# KiCad board ulx4m_panel.kicad_pcb (continued)
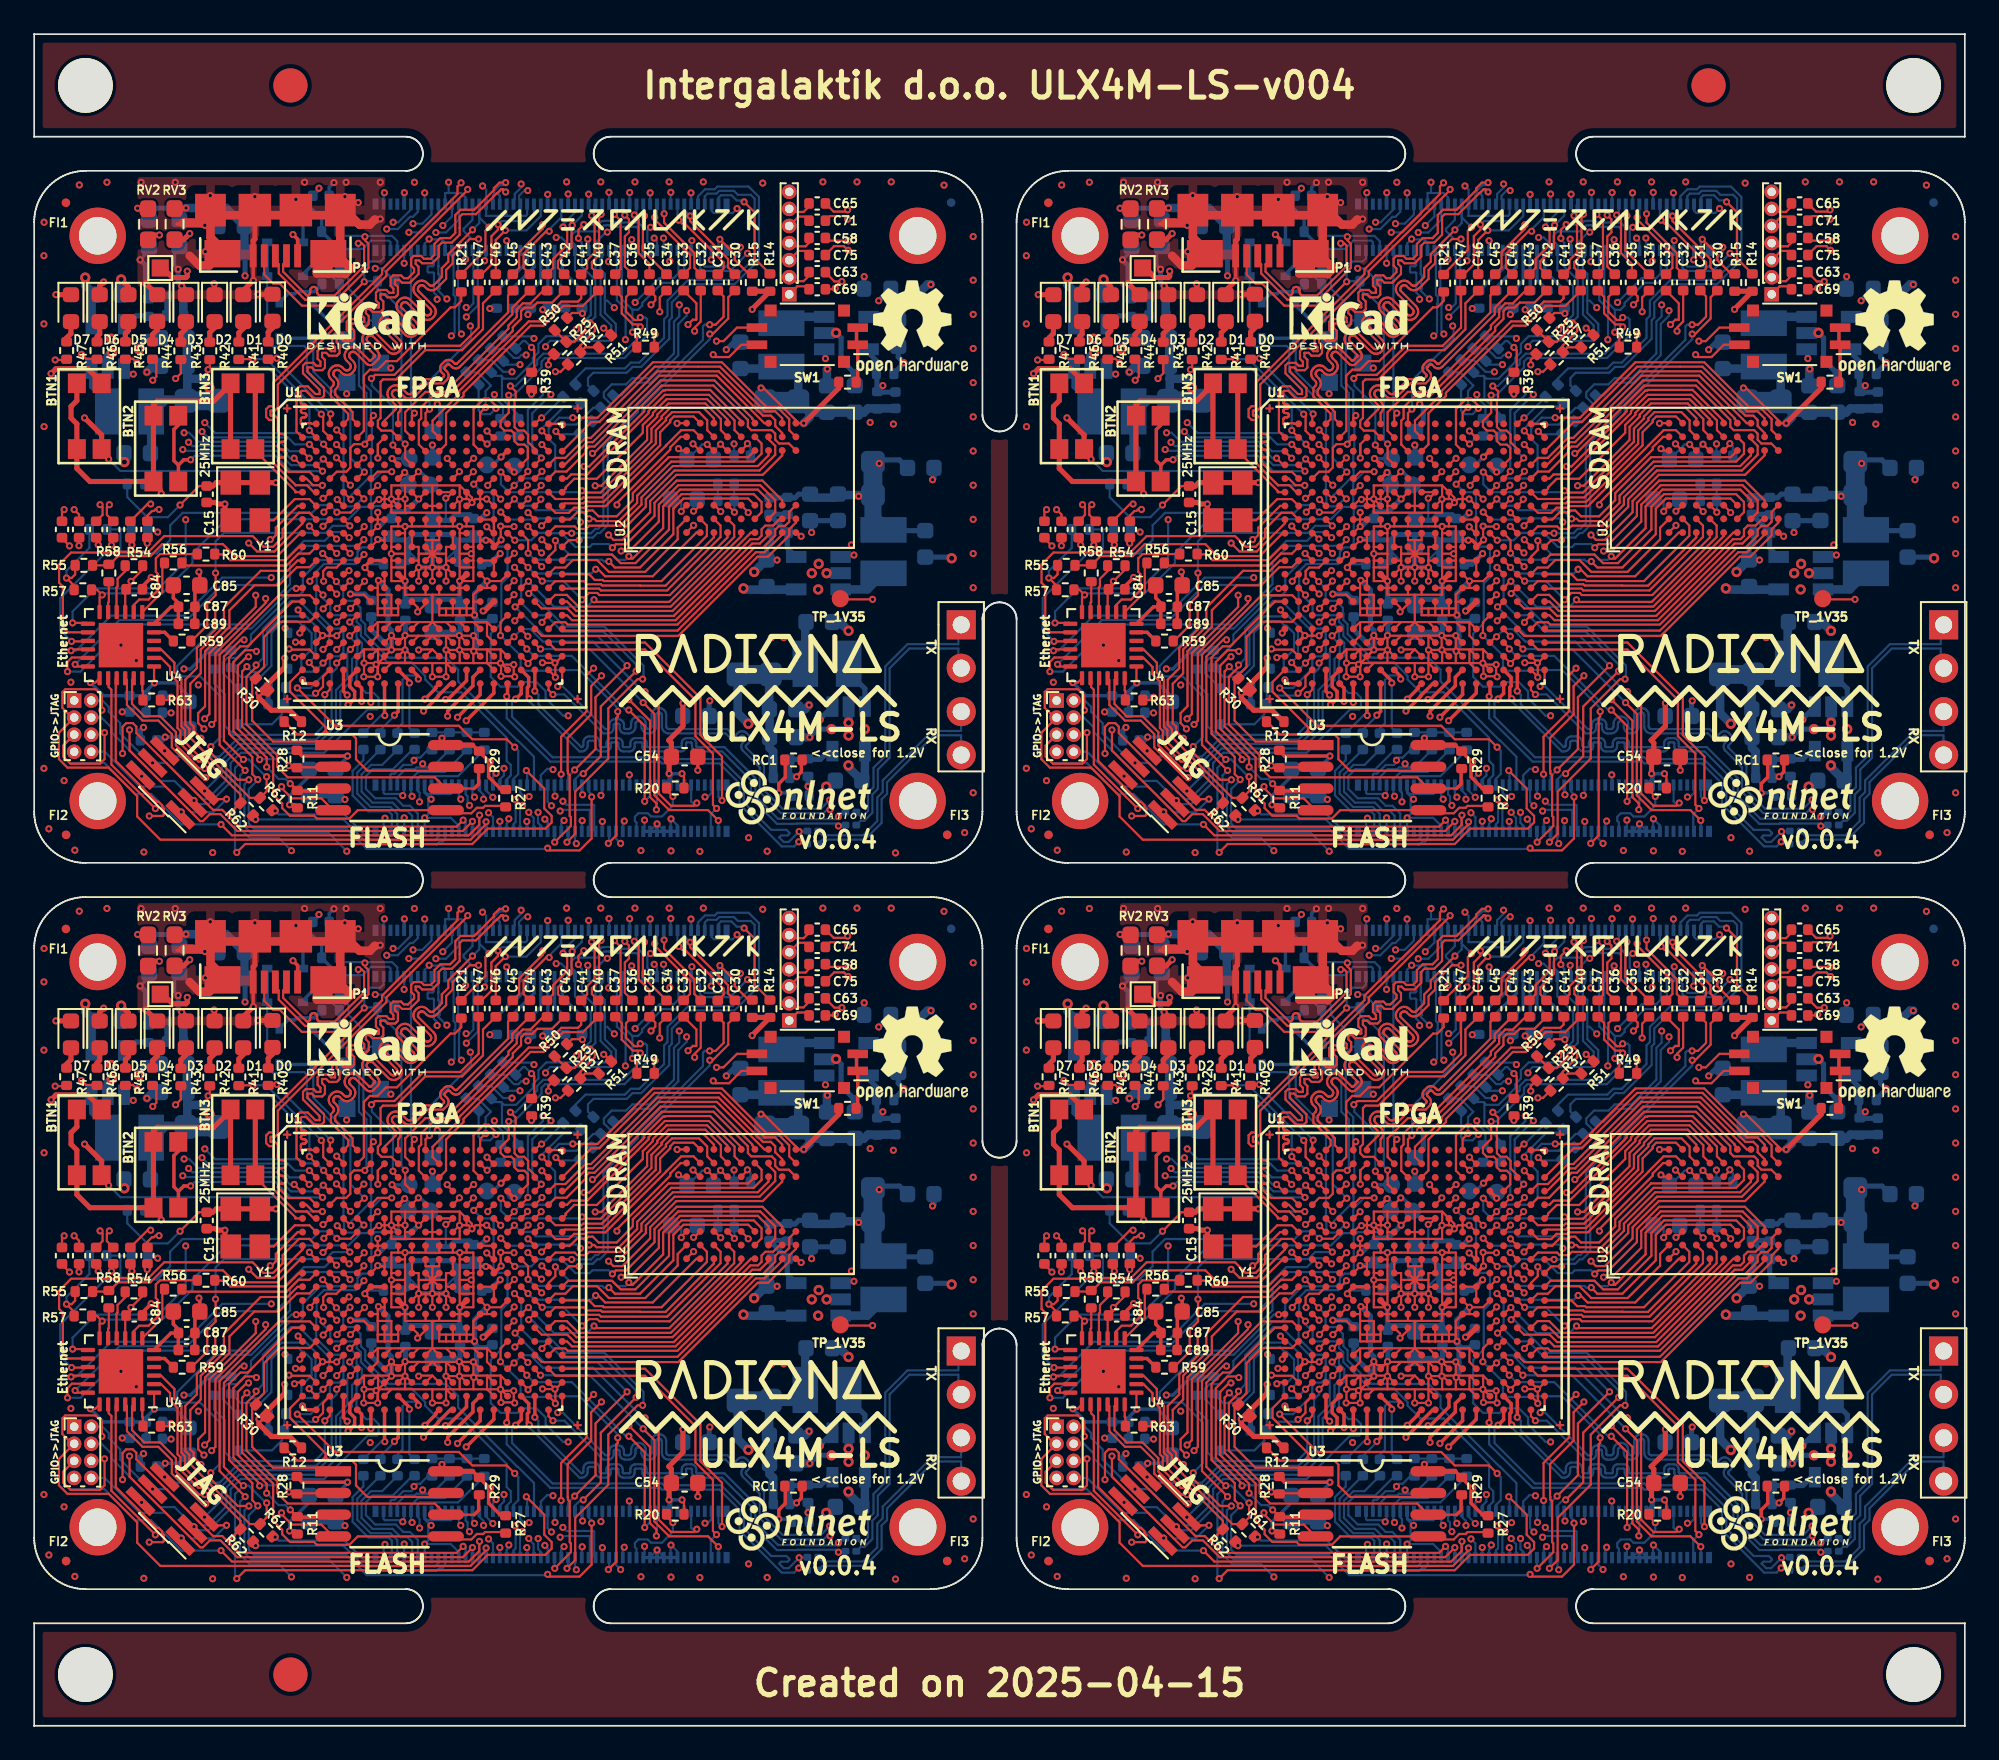
[diagram p0: board, top side]
## Nets (continued)
Board_2-unconnected-(U1B-PT110B-PadB16): U1#3.B16
Board_2-unconnected-(U1B-PT114A-PadB17): U1#3.B17
Board_2-unconnected-(U1B-PT114B-PadC17): U1#3.C17
Board_2-unconnected-(U1B-PT116A-PadA17): U1#3.A17
Board_2-unconnected-(U1B-PT116B-PadB18): U1#3.B18
Board_2-unconnected-(U1C-PR20B-PadH17): U1#3.H17
Board_2-unconnected-(U1C-PR29A-PadK16): U1#3.K16
Board_2-unconnected-(U1C-PR29B-PadK17): U1#3.K17
Board_2-unconnected-(U1D-PR77A-PadT16): U1#3.T16
Board_2-unconnected-(U1D-PR89B-PadR18): U1#3.R18
Board_2-unconnected-(U1E-PL77A-PadM5): U1#3.M5
Board_2-unconnected-(U1E-PL89B-PadM1): U1#3.M1
Board_2-unconnected-(U1F-GR_PCLK7_0-PadH5): U1#3.H5
Board_2-unconnected-(U1F-PL11D-PadC5): U1#3.C5
Board_2-unconnected-(U1G-DOUT/CSOn-PadR3): U1#3.R3
Board_2-unconnected-(U4-XTAL2-Pad4): U4#3.4
Board_2-US2_ID: J2#4.1 P1.4 R19#3.1 U1#3.D9
Board_2-USB_FPGA_D+: D8#3.1 R2#2.2 R4.2 R5#4.2 U1#3.A6 U1#3.F4
Board_2-USB_FPGA_D-: D9#3.1 R1.2 R6.2 R7#2.2 U1#3.B6 U1#3.E3
Board_2-USB_FPGA_PULL_D+: D10#2.2 D11#4.1 U1#3.F5
Board_2-USB_FPGA_PULL_D-: D12#3.2 D13#2.1 U1#3.E5
Board_2-USB_N: J2#4.3 P1.2 R1.1
Board_2-USB_P: J2#4.5 P1.3 R2#2.1
Board_2-USER_PROGRAMN: D15.1 U1#3.M4
Board_2-VDAC_COMP: J2#4.11
Board_2-WL_nDisable: J1#2.89
Board_3-2V5_3V3: C26#4.1 C38#4.1 C48#4.1 C49.1 C53#4.1 RV2#4.2 RV3.1 U1.F9 U1.F10 U1.H6 U1.H7 U1.J6
Board_3-+1V1: 1.1V_1#4.1 C17#2.1 C27#3.1 C28#4.1 RP1#2.2 U1.H8 U1.H9 U1.H10 U1.H11 U1.H12 U1.H13 U1.J8 U1.J13 U1.K8 U1.K13 U1.L8 U1.L13 U1.M8 U1.M13 U1.N8 U1.N9 U1.N10 U1.N11 U1.N12 U1.N13 U1.T6 U1.T7 U1.T8 U1.T9 U1.T10 U1.T11 U1.T12 U1.T13 U1.T14 U1.T15 U1.U6 U1.U15
Board_3-+1V35: C77#2.1 C95#3.1 C96#2.1 C97#3.1 C98#4.1 L4#4.2 RA4.1 RP4.1 RP4.2 TP_1V35.1
Board_3-+2V5: C10#3.1 C11#4.1 C12#3.1 C19.1 C23#4.1 C29#2.1 C39#4.1 L2.2 RA2.1 RP2#2.1 RP2#2.2 RV2#4.1 U1.F6 U1.F15 U1.P6 U1.P15 U1.V10 U1.V11 U1.V17 U1.V18
Board_3-+3.3VA: C86.1 C88#4.1 C90#2.1 FB1.2 U4#4.1 U4#4.19
Board_3-+5V: C1.1 C5#3.1 C9#2.1 C76#2.1 J1#3.77 J1#3.79 J1#3.81 J1#3.83 J1#3.85 J1#3.87 P1#2.1 R10#4.1 R13#3.1 R14.1 R15#3.1 U5.1 U5.4 U6.1 U6.4 U7.1 U7.4 U8#3.1 U8#3.4
Board_3-/blinkey/ALED0: D0#3.2 R40.2
Board_3-/blinkey/ALED1: D1#2.2 R41#3.2
Board_3-/blinkey/ALED2: D2#4.2 R42#2.2
Board_3-/blinkey/ALED3: D3#3.2 R43.2
Board_3-/blinkey/ALED4: D4#3.2 R44.2
Board_3-/blinkey/ALED5: D5#2.2 R45.2
Board_3-/blinkey/ALED6: D6#3.2 R46#2.2
Board_3-/blinkey/ALED7: D7#4.2 R47#3.2
Board_3-/ethernet/ETH_7: R56#4.1 U4#4.7
Board_3-/ethernet/ETH_8: R60#2.1 U4#4.8
Board_3-/ethernet/ETH_10: R54#3.1 U4#4.10
Board_3-/ethernet/ETH_11: R58#3.2 U4#4.11
Board_3-/ethernet/RBIAS: R63#2.1 U4#4.24
Board_3-/ethernet/XTAL: R59.1 U4#4.5
Board_3-/flash/FLASH_MISO: R28#3.2 U1.V2 U3#3.2
Board_3-/flash/FLASH_MOSI: R27#3.2 U1.W2 U3#3.5
Board_3-/flash/FLASH_nCS: R30.2 U1.R2 U3#3.1
Board_3-/flash/FLASH_nHOLD: R12#2.2 U1.W1 U3#3.7
Board_3-/flash/FLASH_nWP: R11#4.2 U1.Y2 U3#3.3
Board_3-/flash/FLASH_SCK: R29#3.2 U1.U3 U3#3.6
Board_3-/flash/FPGA_DONE: R32#2.2 U1.Y3
Board_3-/flash/FPGA_INITN: R33#2.2 U1.V3
Board_3-/flash/FPGA_PROGRAMN: C99.1 D15#3.2 D28#3.2 R31.2 U1.W3
Board_3-/gpio/CAM0_D0_LP: R21#3.2 U1.B5
Board_3-/power/FB1: C2.2 RA1.2 RB1.2 RC1#4.2 U5.5
Board_3-/power/FB2: C10#3.2 RA2.2 RB2#4.2 U6.5
Board_3-/power/FB3: C6#4.2 RA3#3.2 RB3#4.2 U7.5
Board_3-/power/FB4: C77#2.2 RA4.2 RB4.2 U8#3.5
Board_3-/power/L1: L1#2.1 U5.3
Board_3-/power/L2: L2.1 U6.3
Board_3-/power/L3: L3#2.1 U7.3
Board_3-/power/L4: L4#4.1 U8#3.3
Board_3-/serdes/1N: C91.1 J4.1
Board_3-/serdes/1P: C92#4.1 J4.2
Board_3-/serdes/2N: C93.1 J4.3
Board_3-/serdes/2P: C94#3.1 J4.4
Board_3-/serdes/CLK_0_N: C66#2.1 U1.Y12
Board_3-/serdes/CLK_0_P: C59.2 U1.Y11
Board_3-/serdes/CLK_1_N: C69#2.1 U1.W20
Board_3-/serdes/CLK_1_P: C63.2 U1.Y19
Board_3-/serdes/S_0_N: C67#4.1 U1.Y6
Board_3-/serdes/S_0_P: C61.2 U1.Y5
Board_3-/serdes/S_1_N: C68#4.1 U1.Y8
Board_3-/serdes/S_1_P: C62.2 U1.Y7
Board_3-/serdes/S_2_N: C72#4.1 U1.W5
Board_3-/serdes/S_2_P: C55#2.2 U1.W4
Board_3-/serdes/S_3_N: C73#4.1 U1.W9
Board_3-/serdes/S_3_P: C56#3.2 U1.W8
Board_3-/serdes/S_4_N: U1.Y15
Board_3-/serdes/S_4_P: U1.Y14
Board_3-/serdes/S_5_N: C71#2.1 C93.2 U1.Y17
Board_3-/serdes/S_5_P: C65#4.2 C94#3.2 U1.Y16
Board_3-/serdes/S_6_N: U1.W14
Board_3-/serdes/S_6_P: U1.W13
Board_3-/serdes/S_7_N: C75#2.1 C91.2 U1.W18
Board_3-/serdes/S_7_P: C58#4.2 C92#4.2 U1.W17
Board_3-/usb/D10_R4: D10#4.1 R4#2.1
Board_3-/usb/D11_R5: D11.2 R5.1
Board_3-/usb/D12_R6: D12.1 R6#4.1
Board_3-/usb/D13_R7: D13#4.2 R7#3.1
Board_3-AnalogIP0: J1#3.96
Board_3-AnalogIP1: J1#3.94
Board_3-BT_nDisable: J1#3.91
Board_3-BTN1: BTN1#4.2 U1.E1
Board_3-BTN2: BTN2.2 U1.D2
Board_3-BTN3: BTN3#3.2 U1.F1
Board_3-CAM0_C_N: J2.40 U1.E2
Board_3-CAM0_C_P: J2.42 U1.F2
Board_3-CAM0_D0_N: J2.28 U1.A5
Board_3-CAM0_D0_P: J2.30 R21#3.1 U1.A4
Board_3-CAM0_D1_N: J2.34 U1.B1
Board_3-CAM0_D1_P: J2.36 U1.A2
Board_3-CAM1_C_N: J2.27 U1.F3
Board_3-CAM1_C_P: J2.29 U1.G3
Board_3-CAM1_D0_N: J2.15 U1.B4
Board_3-CAM1_D0_P: J2.17 U1.C4
Board_3-CAM1_D1_N: J2.21 U1.D5
Board_3-CAM1_D1_P: J2.23 U1.E4
Board_3-CAM1_D2_N: J2.33
Board_3-CAM1_D2_P: J2.35
Board_3-CAM1_D3_N: J2.39
Board_3-CAM1_D3_P: J2.41
Board_3-Camera_GPIO: J1#3.97 U1.U19
Board_3-CLK_25MHz: U1.G2 Y1#3.3
Board_3-CM4_1.8V: J1#3.88 J1#3.90
Board_3-CM4_3.3V: C6#4.1 C7#4.1 C8#3.1 C13.1 C14#2.1 C15#4.1 C16#4.1 C18#4.1 C20#2.1 C21#2.1 C24#4.1 C25.1 C50#2.1 C51.1 C52.1 C54#2.1 C78#2.1 C79#3.1 C80#2.1 C81#4.1 C82#2.1 C84.1 C99.2 FB1.1 J1#3.84 J1#3.86 J3#2.2 L3#2.2 R8#3.1 R11#4.1 R12#2.1 R16.1 R18#2.2 R19#2.2 R20#3.2 R27#3.1 R28#3.1 R29#3.1 R30.1 R31.1 R32#2.1 R33#2.1 R53#2.1 R54#3.2 R55#4.1 R57#3.1 R64#3.2 R65#4.2 R66.2 R67.2 R70#4.1 RA3#3.1 RP3#3.1 RP3#3.2 RV3.2 U1.F11 U1.F12 U1.H14 U1.H15 U1.J15 U1.L6 U1.L7 U1.L14 U1.L15 U1.M6 U1.M15 U1.P9 U1.P10 U1.T2 U1.T3 U1.T4 U1.U2 U2#4.A7 U2#4.A9 U2#4.B3 U2#4.C7 U2#4.D3 U2#4.E7 U2#4.J9 U3#3.8 U4#4.9 Y1#3.1 Y1#3.4
Board_3-DSI0_C_N: J2.69 J2.87 R38#3.2 R39#3.1
Board_3-DSI0_C_P: J2.71 J2.89 R26.1 R49#4.1
Board_3-DSI0_D0_N: J2.57 J2.75 R37#2.2 R51#4.1
Board_3-DSI0_D0_P: J2.59 J2.77 R25#4.1 R50#4.1
Board_3-DSI0_D1_N: J2.63 J2.81 R36#4.2 R48.1
Board_3-DSI0_D1_P: J2.65 J2.83 R24#3.1 R52#2.1
Board_3-DSI1_D2_N: J2.93 R34#4.2
Board_3-DSI1_D2_P: J2.95 R22.1
Board_3-DSI1_D3_N: J2.94 R35#4.2
Board_3-DSI1_D3_P: J2.96 R23#4.1
Board_3-EEPROM_nWP: J1#3.20
Board_3-ETH_0N: J1#3.10 R65#4.1 U4#4.20
Board_3-ETH_0P: J1#3.12 R64#3.1 U4#4.21
Board_3-ETH_1N: J1#3.6 R67.1 U4#4.22
Board_3-ETH_1P: J1#3.4 R66.1 U4#4.23
Board_3-ETH_2N: C73#4.2 J1#3.9
Board_3-ETH_2P: C56#3.1 J1#3.11
Board_3-ETH_3N: C68#4.2 J1#3.5
Board_3-ETH_3P: C62.1 J1#3.3
Board_3-ETH_MDC: U1.J5 U4#4.13
Board_3-ETH_MDIO: R57#3.2 U1.E6 U4#4.12
Board_3-ETH_nLED1: J1#3.19 R62#2.1
Board_3-ETH_nLED2: J1#3.17 R61#2.1
Board_3-ETH_nLED3: J1#3.15
Board_3-ETH_SYNC_IN: J1#3.16
Board_3-ETH_SYNC_OUT: J1#3.18
Board_3-ETH_~{RESET}: C83#2.2 R53#2.2 U1.G5 U4#4.15
Board_3-FPDI_CLK+: C31#3.1 U1.J20
Board_3-FPDI_CLK-: C30#3.1 U1.K20
Board_3-FPDI_D0+: C33#2.1 U1.F17
Board_3-FPDI_D0-: C32#2.1 U1.G18
Board_3-FPDI_D1+: C35#2.1 U1.D18
Board_3-FPDI_D1-: C34#3.1 U1.E17
Board_3-FPDI_D2+: C37#3.1 U1.C18
Board_3-FPDI_D2-: C36#3.1 U1.D17
Board_3-GLOBAL_EN: J1#3.99 U1.U18
Board_3-GN0: C40#2.1 U1.C11
Board_3-GN3: C42.1 U1.C10
Board_3-GN4: C44#2.1 U1.A8
Board_3-GN5: C46#3.1 U1.B8
Board_3-GND: C1.2 C3#3.2 C4#2.2 C5#3.2 C7#4.2 C8#3.2 C9#2.2 C11#4.2 C12#3.2 C13.2 C14#2.2 C15#4.2 C16#4.2 C17#2.2 C18#4.2 C19.2 C20#2.2 C21#2.2 C22.2 C23#4.2 C24#4.2 C25.2 C26#4.2 C27#3.2 C28#4.2 C29#2.2 C38#4.2 C39#4.2 C48#4.2 C49.2 C50#2.2 C51.2 C52.2 C53#4.2 C54#2.2 C76#2.2 C78#2.2 C79#3.2 C80#2.2 C81#4.2 C82#2.2 C83#2.1 C84.2 C85.2 C86.2 C87.2 C88#4.2 C89.2 C90#2.2 C95#3.2 C96#2.2 C97#3.2 C98#4.2 D0#3.1 D1#2.1 D2#4.1 D3#3.1 D4#3.1 D5#2.1 D6#3.1 D7#4.1 D8#2.2 D9#2.2 H1#4.1 H2#2.1 H3#4.1 H4#4.1 J1#3.1 J1#3.2 J1#3.7 J1#3.8 J1#3.13 J1#3.14 J1#3.22 J1#3.23 J1#3.32 J1#3.33 J1#3.42 J1#3.43 J1#3.52 J1#3.53 J1#3.59 J1#3.60 J1#3.65 J1#3.66 J1#3.71 J1#3.74 J1#3.98 J2.7 J2.8 J2.13 J2.14 J2.19 J2.20 J2.25 J2.26 J2.31 J2.32 J2.37 J2.38 J2.44 J2.50 J2.55 J2.56 J2.61 J2.62 J2.67 J2.68 J2.73 J2.74 J2.79 J2.80 J2.85 J2.86 J2.91 J2.92 J2.97 J2.98 J3#2.1 J5#3.7 P1#2.5 P1#2.6 R9#3.1 R17.1 R39#3.2 R48.2 R49#4.2 R50#4.2 R51#4.2 R52#2.2 R63#2.2 RB1.1 RB2#4.1 RB3#4.1 RB4.1 RC2#4.1 U1.B7 U1.B14 U1.C19 U1.D4 U1.F7 U1.F8 U1.F13 U1.F14 U1.G4 U1.G6 U1.G7 U1.G8 U1.G9 U1.G10 U1.G11 U1.G12 U1.G13 U1.G14 U1.G15 U1.G17 U1.H19 U1.J2 U1.J7 U1.J9 U1.J10 U1.J11 U1.J12 U1.J14 U1.K6 U1.K7 U1.K9 U1.K10 U1.K11 U1.K12 U1.K14 U1.K15 U1.L9 U1.L10 U1.L11 U1.L12 U1.M2 U1.M7 U1.M9 U1.M10 U1.M11 U1.M12 U1.M14 U1.M16 U1.N6 U1.N7 U1.N14 U1.N15 U1.P7 U1.P8 U1.P11 U1.P12 U1.P13 U1.P14 U1.R4 U1.R19 U1.U4 U1.U7 U1.U8 U1.U9 U1.U10 U1.U11 U1.U12 U1.U13 U1.U14 U1.V5 U1.V6 U1.V7 U1.V8 U1.V9 U1.V12 U1.V13 U1.V14 U1.V15 U1.V16 U1.V19 U1.V20 U1.W6 U1.W7 U1.W12 U1.W15 U1.W16 U1.W19 U2#4.A1 U2#4.A3 U2#4.B7 U2#4.C3 U2#4.D7 U2#4.E3 U2#4.J1 U3#3.4 U4#4.25 U5.2 U6.2 U7.2 U8#3.2 Y1#3.2
Board_3-GP0: C41#4.1 U1.B11
Board_3-GP3: C43#2.1 U1.B9
Board_3-GP4: C45#4.1 U1.A7
Board_3-GP5: C47#2.1 U1.C8
Board_3-GPIO2: J1#3.58 U1.M17
Board_3-GPIO3: J1#3.56 U1.P17
Board_3-GPIO4: J1#3.54 U1.P16
Board_3-GPIO5: J1#3.34 U1.N1
Board_3-GPIO6: J1#3.30 U1.R1
Board_3-GPIO7: J1#3.37 U1.P3
Board_3-GPIO8: J1#3.39 U1.P4
Board_3-GPIO9: J1#3.40 U1.L5
Board_3-GPIO10: J1#3.44 R61#2.2 U1.K4 U4#4.3
Board_3-GPIO11: J1#3.38 U1.N2
Board_3-GPIO12: J1#3.31 J6#4.3 U1.L2
Board_3-GPIO13: J1#3.28 U1.T1
Board_3-GPIO14: J1#3.55 U1.N18
Board_3-GPIO15: J1#3.51 U1.N16
Board_3-GPIO16: J1#3.29 J6#4.5 U1.L1
Board_3-GPIO17: J1#3.50 U1.H3
Board_3-GPIO18: J1#3.49 U1.N5
Board_3-GPIO19: J1#3.26 U1.U1
Board_3-GPIO20: J1#3.27 J6#4.1 U1.L3
Board_3-GPIO21: J1#3.25 J6#4.7 R62#2.2 U1.L4 U4#4.2
Board_3-GPIO22: J1#3.46 U1.M3
Board_3-GPIO23: J1#3.47 U1.N4
Board_3-GPIO24: J1#3.45 U1.N3
Board_3-GPIO25: J1#3.41 U1.P5
Board_3-GPIO26: J1#3.24 U1.V1
Board_3-GPIO27: J1#3.48 U1.R17
Board_3-GPIO_VREF: J1#3.78
Board_3-HDMI0_CEC: J2.51 R8#3.2
Board_3-HDMI0_CLK_N: C30#3.2 J2.90
Board_3-HDMI0_CLK_P: C31#3.2 J2.88
Board_3-HDMI0_HOTPLUG: J2.53 R9#3.2
Board_3-HDMI0_SCL: J2.100 R14.2
Board_3-HDMI0_SDA: J2.99 R15#3.2
Board_3-HDMI0_TX0_N: C32#2.2 J2.84
Board_3-HDMI0_TX0_P: C33#2.2 J2.82
Board_3-HDMI0_TX1_N: C34#3.2 J2.78
Board_3-HDMI0_TX1_P: C35#2.2 J2.76
Board_3-HDMI0_TX2_N: C36#3.2 J2.72
Board_3-HDMI0_TX2_P: C37#3.2 J2.70
Board_3-HDMI1_CEC: J2.49 R16.2
Board_3-HDMI1_CLK_N: C40#2.2 J2.66
Board_3-HDMI1_CLK_P: C41#4.2 J2.64
Board_3-HDMI1_HOTPLUG: J2.43 R17.2
Board_3-HDMI1_SCL: J2.47 R10#4.2
Board_3-HDMI1_SDA: J2.45 R13#3.2
Board_3-HDMI1_TX0_N: C42.2 J2.60
Board_3-HDMI1_TX0_P: C43#2.2 J2.58
Board_3-HDMI1_TX1_N: C44#2.2 J2.54
Board_3-HDMI1_TX1_P: C45#4.2 J2.52
Board_3-HDMI1_TX2_N: C46#3.2 J2.48
Board_3-HDMI1_TX2_P: C47#2.2 J2.46
Board_3-ID_SC: J1#3.35 U1.J3
Board_3-ID_SD: J1#3.36 U1.H1
Board_3-JTAG_TCK: J3#2.4 J6#4.2 U1.T5
Board_3-JTAG_TDI: J3#2.3 J6#4.4 U1.R5
Board_3-JTAG_TDO: J3#2.6 J6#4.6 U1.V4
Board_3-JTAG_TMS: J3#2.5 J6#4.8 U1.U5
Board_3-LED0: R40.1 U1.A3
Board_3-LED1: R41#3.1 U1.B3
Board_3-LED2: R42#2.1 U1.B2
Board_3-LED3: R43.1 U1.C3
Board_3-LED4: R44.1 U1.C2
Board_3-LED5: R45.1 U1.C1
Board_3-LED6: R46#2.1 U1.D1
Board_3-LED7: R47#3.1 U1.D3
Board_3-Net-(BTN1-Pad1): BTN1#4.1 BTN2.1 BTN3#3.1 R18#2.1
Board_3-Net-(R70-Pad2): R70#4.2 SW1#2.1 SW1#2.2
Board_3-Net-(RC1-Pad1): RC1#4.1 RC2#4.2
Board_3-Net-(U1A-PT13B): TP_D8#2.1 U1.D8
Board_3-Net-(U1A-PT20B): TP_E9#3.1 U1.E9
Board_3-Net-(U1B-GR_PCLK1_0): R26.2 U1.D12
Board_3-Net-(U1B-GR_PCLK1_1): R38#3.1 U1.E12
Board_3-Net-(U1B-PT80A): R25#4.2 U1.D13
Board_3-Net-(U1B-PT80B): R37#2.1 U1.E13
Board_3-Net-(U1B-PT83A): R24#3.2 U1.A14
Board_3-Net-(U1B-PT83B): R36#4.1 U1.C14
Board_3-Net-(U1B-PT112A): TP_C16#4.1 U1.C16
Board_3-Net-(U1B-PT112B): TP_D16#2.1 U1.D16
Board_3-Net-(U1B-PT119A): R23#4.2 U1.A18
Board_3-Net-(U1B-PT119B): R35#4.1 U1.B19
Board_3-Net-(U1B-PT121A): R22.2 U1.A19
Board_3-Net-(U1B-PT121B): R34#4.1 U1.B20
Board_3-nEXTRST: J1#3.100 U1.U20
Board_3-nRPIBOOT: J1#3.93
Board_3-PCIe_CLK_N: C66#2.2 J2.12
Board_3-PCIe_CLK_nREQ: J2.2 U1.A10
Board_3-PCIe_CLK_P: C59.1 J2.10
Board_3-PCIe_nRST: J2.9 U1.A9
Board_3-PCIe_RX_N: C67#4.2 J2.18
Board_3-PCIe_RX_P: C61.1 J2.16
Board_3-PCIe_TX_N: C72#4.2 J2.24
Board_3-PCIe_TX_P: C55#2.1 J2.22
Board_3-PI_LED_nPWR: J1#3.95
Board_3-Pi_nLED_Activity: J1#3.21
Board_3-PWRBTn: D28#3.1 TP_E8#2.1 U1.E8
Board_3-RGMII_REF_CLK: U1.H2 U4#4.14
Board_3-RGMII_RX_DV: R55#4.2 R58#3.1 U1.J1
Board_3-RGMII_RXD0: R60#2.2 U1.K1
Board_3-RGMII_RXD1: R56#4.2 U1.K2
Board_3-RGMII_TX_CLK: R59.2 U1.H4
Board_3-RGMII_TX_EN: U1.K3 U4#4.16
Board_3-RGMII_TXD0: U1.K5 U4#4.17
Board_3-RGMII_TXD1: U1.J4 U4#4.18
Board_3-RUN_PG: J1#3.92 U1.U16
Board_3-SCL0: J1#3.80 U1.U17
Board_3-SD_CLK: J1#3.57 U1.G1
Board_3-SD_CMD: J1#3.62 U1.P1
Board_3-SD_D0: J1#3.63 U1.B15
Board_3-SD_D1: J1#3.67 U1.R16
Board_3-SD_D2: J1#3.69 U1.E14
Board_3-SD_D3: J1#3.61 U1.P2
Board_3-SD_DAT4: J1#3.68
Board_3-SD_DAT5: J1#3.64
Board_3-SD_DAT6: J1#3.72
Board_3-SD_DAT7: J1#3.70
Board_3-SD_PWR_ON: J1#3.75 R20#3.1 U1.E15
Board_3-SD_VDD_Override: J1#3.73
Board_3-SDA0: J1#3.82 U1.T17
Board_3-SDRAM_A0: U1.H16 U2#4.H7
Board_3-SDRAM_A1: U1.D19 U2#4.H8
Board_3-SDRAM_A2: U1.F16 U2#4.J8
Board_3-SDRAM_A3: U1.E18 U2#4.J7
Board_3-SDRAM_A4: U1.T19 U2#4.J3
Board_3-SDRAM_A5: U1.T18 U2#4.J2
Board_3-SDRAM_A6: U1.J16 U2#4.H3
Board_3-SDRAM_A7: U1.P18 U2#4.H2
Board_3-SDRAM_A8: U1.T20 U2#4.H1
Board_3-SDRAM_A9: U1.L19 U2#4.G3
Board_3-SDRAM_A10: U1.C20 U2#4.H9
Board_3-SDRAM_A11: U1.K19 U2#4.G2
Board_3-SDRAM_A12: U1.R20 U2#4.G1
Board_3-SDRAM_BA0: U1.J19 U2#4.G7
Board_3-SDRAM_BA1: U1.L16 U2#4.G8
Board_3-SDRAM_CKE: U1.J17 U2#4.F3
Board_3-SDRAM_CLK: U1.L20 U2#4.F2
Board_3-SDRAM_D0: U1.J18 U2#4.A8
Board_3-SDRAM_D1: U1.G20 U2#4.B9
Board_3-SDRAM_D2: U1.G19 U2#4.B8
Board_3-SDRAM_D3: U1.E16 U2#4.C9
Board_3-SDRAM_D4: U1.F19 U2#4.C8
Board_3-SDRAM_D5: U1.F20 U2#4.D9
Board_3-SDRAM_D6: U1.H18 U2#4.D8
Board_3-SDRAM_D7: U1.F18 U2#4.E9
Board_3-SDRAM_D8: U1.P19 U2#4.E1
Board_3-SDRAM_D9: U1.N17 U2#4.D2
Board_3-SDRAM_D10: U1.M18 U2#4.D1
Board_3-SDRAM_D11: U1.N20 U2#4.C2
Board_3-SDRAM_D12: U1.N19 U2#4.C1
Board_3-SDRAM_D13: U1.M20 U2#4.B2
Board_3-SDRAM_D14: U1.M19 U2#4.A2
Board_3-SDRAM_D15: U1.L17 U2#4.B1
Board_3-SDRAM_DQM0: U1.E20 U2#4.E8
Board_3-SDRAM_DQM1: U1.P20 U2#4.F1
Board_3-SDRAM_nCAS: U1.H20 U2#4.F7
Board_3-SDRAM_nCS: U1.D20 U2#4.G9
Board_3-SDRAM_nRAS: U1.G16 U2#4.F8
Board_3-SDRAM_nWE: U1.E19 U2#4.F9
Board_3-SRCLK1N: C69#2.2 J5#3.1
Board_3-SRCLK1P: C63.1 J5#3.2
Board_3-SRX11N: C71#2.2 J5#3.5
Board_3-SRX11P: C65#4.1 J5#3.6
Board_3-STX11N: C75#2.2 J5#3.3
Board_3-STX11P: C58#4.1 J5#3.4
Board_3-SW1: SW1#2.4 U1.L18
Board_3-SW2: SW1#2.3 U1.K18
Board_3-unconnected-(J1-Pad76): J1#3.76
Board_3-unconnected-(J2-Pad4): J2.4
Board_3-unconnected-(J2-Pad6): J2.6
Board_3-unconnected-(U1A-GR_PCLK0_0-PadB10): U1.B10
Board_3-unconnected-(U1A-PCLKC0_1-PadA11): U1.A11
Board_3-unconnected-(U1A-PT6B-PadD6): U1.D6
Board_3-unconnected-(U1A-PT9A-PadE7): U1.E7
Board_3-unconnected-(U1A-PT9B-PadD7): U1.D7
Board_3-unconnected-(U1A-PT11A-PadC6): U1.C6
Board_3-unconnected-(U1A-PT11B-PadC7): U1.C7
Board_3-unconnected-(U1A-PT54A-PadC9): U1.C9
Board_3-unconnected-(U1A-PT56A-PadD10): U1.D10
Board_3-unconnected-(U1A-PT56B-PadE10): U1.E10
Board_3-unconnected-(U1B-PCLKC1_0-PadC12): U1.C12
Board_3-unconnected-(U1B-PCLKC1_1-PadE11): U1.E11
Board_3-unconnected-(U1B-PCLKT1_0-PadB12): U1.B12
Board_3-unconnected-(U1B-PCLKT1_1-PadD11): U1.D11
Board_3-unconnected-(U1B-PT76A-PadA12): U1.A12
Board_3-unconnected-(U1B-PT76B-PadA13): U1.A13
Board_3-unconnected-(U1B-PT78A-PadB13): U1.B13
Board_3-unconnected-(U1B-PT78B-PadC13): U1.C13
Board_3-unconnected-(U1B-PT85A-PadD14): U1.D14
Board_3-unconnected-(U1B-PT103A-PadA15): U1.A15
Board_3-unconnected-(U1B-PT105B-PadC15): U1.C15
Board_3-unconnected-(U1B-PT107A-PadD15): U1.D15
Board_3-unconnected-(U1B-PT110A-PadA16): U1.A16
Board_3-unconnected-(U1B-PT110B-PadB16): U1.B16
Board_3-unconnected-(U1B-PT114A-PadB17): U1.B17
Board_3-unconnected-(U1B-PT114B-PadC17): U1.C17
Board_3-unconnected-(U1B-PT116A-PadA17): U1.A17
Board_3-unconnected-(U1B-PT116B-PadB18): U1.B18
Board_3-unconnected-(U1C-PR20B-PadH17): U1.H17
Board_3-unconnected-(U1C-PR29A-PadK16): U1.K16
Board_3-unconnected-(U1C-PR29B-PadK17): U1.K17
Board_3-unconnected-(U1D-PR77A-PadT16): U1.T16
Board_3-unconnected-(U1D-PR89B-PadR18): U1.R18
Board_3-unconnected-(U1E-PL77A-PadM5): U1.M5
Board_3-unconnected-(U1E-PL89B-PadM1): U1.M1
Board_3-unconnected-(U1F-GR_PCLK7_0-PadH5): U1.H5
Board_3-unconnected-(U1F-PL11D-PadC5): U1.C5
Board_3-unconnected-(U1G-DOUT/CSOn-PadR3): U1.R3
Board_3-unconnected-(U4-XTAL2-Pad4): U4#4.4
Board_3-US2_ID: J2.1 P1#2.4 R19#2.1 U1.D9
Board_3-USB_FPGA_D+: D8#2.1 R2.2 R4#2.2 R5.2 U1.A6 U1.F4
Board_3-USB_FPGA_D-: D9#2.1 R1#4.2 R6#4.2 R7#3.2 U1.B6 U1.E3
Board_3-USB_FPGA_PULL_D+: D10#4.2 D11.1 U1.F5
Board_3-USB_FPGA_PULL_D-: D12.2 D13#4.1 U1.E5
Board_3-USB_N: J2.3 P1#2.2 R1#4.1
Board_3-USB_P: J2.5 P1#2.3 R2.1
Board_3-USER_PROGRAMN: D15#3.1 U1.M4
Board_3-VDAC_COMP: J2.11
Board_3-WL_nDisable: J1#3.89

Pads without a net: J1 S1 S2 S3 S4; J1#2 S1 S2 S3 S4; J1#3 S1 S2 S3 S4; J1#4 S1 S2 S3 S4; J2 S1 S2 S3 S4; J2#2 S1 S2 S3 S4; J2#3 S1 S2 S3 S4; J2#4 S1 S2 S3 S4; SW1 5; SW1#2 5; SW1#3 5; SW1#4 5; U1 W10 W11 X; U1#2 W10 W11 X; U1#3 W10 W11 X; U1#4 W10 W11 X; U2 E2; U2#2 E2; U2#3 E2; U2#4 E2

## Via types
v1: diameter 0.419, hole 0.2, Top to Bottom, 2492 vias
v2: diameter 0.6, hole 0.3, Top to Bottom, 92 vias
v3: diameter 0.42, hole 0.2, Top to Bottom, 216 vias

## Routing (per net, layer and track width the routed paths; a pad name or vN(x,y) marks a point on that pad's centre or on a via; arc(x,y) is an arc through that point)
Board_0-/ethernet/VDDCR: length 4.2
  Top w0.2: C89#2.1 8.44,65.48 C87#4.1 ; C87#4.1 8.01,65.49 U4.6 ; C87#4.1 8.45,65.71 8.15,66.01 8.15,66.75
Board_0-/power/P1V1: length 11
  Bottom w0.3: L1#3.2 45.08,62.09
  Bottom w0.5: C22#2.1 45.14,64.55 L1#3.2 44.98,62.16 44.28,61.46 43.02,61.46 43.02,59.51 C4#3.1 43.05,59.48 C3.1 43.05,57.23 43.26,57.02 43.26,55.49 C2#4.1
Board_1-/ethernet/VDDCR: length 4.2
  Top w0.2: C85#3.1 65.66,66.01 65.96,65.71 C87#2.1 ; C89#4.1 65.95,65.48 C87#2.1 ; C87#2.1 65.52,65.49 U4#2.6
Board_1-/power/P1V1: length 11
  Bottom w0.3: L1#4.2 102.59,62.09
  Bottom w0.5: C2#3.1 100.77,55.49 100.77,57.02 100.56,57.23 C3#2.1 100.56,59.48 C4.1 100.54,59.51 100.54,61.46 101.79,61.46 102.48,62.16 L1#4.2 102.65,64.55 C22#4.1
Board_2-/ethernet/VDDCR: length 4.2
  Top w0.2: C89#3.1 8.44,22.98 C87#3.1 ; 8.15,24.25 8.15,23.51 8.45,23.21 C87#3.1 ; U4#3.6 8.01,22.99 C87#3.1
Board_2-/power/P1V1: length 11
  Bottom w0.3: L1.2 45.08,19.59
  Bottom w0.5: C2#2.1 43.26,12.99 43.26,14.52 43.05,14.73 C3#4.1 43.05,16.98 C4#4.1 43.02,17.01 43.02,18.96 44.28,18.96 44.98,19.66 L1.2 45.14,22.05 C22#3.1
Board_3-/ethernet/VDDCR: length 4.2
  Top w0.2: C85.1 65.66,23.51 65.96,23.21 C87.1 ; C87.1 65.95,22.98 C89.1 ; C87.1 65.52,22.99 U4#4.6
Board_3-/power/P1V1: length 11
  Bottom w0.3: L1#2.2 102.59,19.59
  Bottom w0.5: C22.1 102.65,22.05 L1#2.2 102.48,19.66 101.79,18.96 100.54,18.96 100.54,17.01 C4#2.1 100.56,16.98 C3#3.1 100.56,14.73 100.77,14.52 100.77,12.99 C2.1
Board_0-2V5_3V3: length 43.2
  Top w0.127: 20.11,70.6 U1#2.H7 ; 20.11,70.6 U1#2.H6 ; 20.11,70.6 20.11,70.19 v1(20.12,70.19) 20.1,70.19 U1#2.J6 ; 20.11,70.6 20.11,71.01 v1(20.11,71.02) ; U1#2.F9 v1(22.51,71.8) U1#2.F10
  Top w0.2: 6.64,88.77 6.59,88.82 v1(6.06,88.82)
  Top w0.3: RV2#2.2 6.08,88.79 v1(6.06,88.82) ; v1(8.89,88.83) 8.86,88.8 RV3#2.1
  POWER.Cu w0.2: 19.61,72.38 19.61,72.17 19.74,72.04 19.74,71.39 v1(20.11,71.02)
  POWER.Cu w0.3: v1(12.34,84.86) 12.56,85.08 17.24,85.08 18.08,85.91 18.86,85.91 17.52,84.58 17.52,83.85 18.78,82.58 18.78,73.2 19.61,72.38
  Bottom w0.2: v1(6.06,88.82) 6.06,88.78 C49#4.1
  Bottom w0.3: C53.1 8.5,88.44 v1(8.89,88.83) 8.88,88.82 v1(6.06,88.82) ; 20.93,71.05 21.77,71.05 v1(22.51,71.8) ; C48#2.1 12.34,86.21 v1(12.34,84.86) ; v1(20.12,70.19) 20.19,70.19 20.93,70.93
  Bottom w0.4: 20.98,70.96 20.98,70.96
  Bottom w0.5: C48#2.1 12.31,87.76 C38.1 11.24,88.83 v1(8.89,88.83)
Board_0-+1V1: length 133.8
  Top w0.127: U1#2.H13 25.31,70.2 ; 25.31,70.2 25.71,70.2 25.71,69 ; 25.31,70.2 v1(24.91,70.2) ; U1#2.T15 26.51,64.6 ; 26.51,64.6 25.71,64.6 ; 26.51,64.6 26.51,63.8 U1#2.U15 ; 23.31,66.2 23.31,64.6 ; 23.31,66.2 24.91,66.2 24.91,66.6 ; 23.31,66.2 22.91,66.2 ; 23.31,64.6 22.51,64.6 ; 23.31,64.6 U1#2.T11 ; 23.31,64.6 U1#2.T10 ; 23.31,64.6 24.91,64.6 ; U1#2.T9 22.51,64.6 ; 22.51,64.6 21.71,64.6 ; 24.51,70.2 23.71,70.2 ; 24.51,70.2 v1(24.91,70.2) ; 24.51,70.2 U1#2.H12 ; U1#2.N12 24.91,66.6 ; 24.91,66.6 v1(24.91,67) ; 24.91,66.6 U1#2.N13 ; U1#2.T7 20.91,64.6 ; 20.91,64.6 20.11,64.6 ; 20.91,64.6 21.71,64.6 ; U1#2.K8 20.91,69 ; 20.91,69 v1(20.91,68.6) ; 20.91,69 20.91,70.2 21.31,70.2 ; v1(25.58,68.6) 25.71,68.47 25.71,68.2 ; v1(25.58,68.6) 25.71,68.72 25.71,69 ; v1(25.58,68.6) 24.91,68.6 ; 21.71,64.6 U1#2.T8 ; U1#2.H11 23.71,70.2 ; 23.71,70.2 22.91,70.2 ; U1#2.H9 22.11,70.2 ; 22.11,70.2 22.91,70.2 ; 22.11,70.2 v1(21.71,70.2) ; v1(24.91,70.2) 24.91,69.8 ; 25.71,68.2 25.71,67.8 ; 25.71,68.2 U1#2.L13 ; 25.71,67.8 24.91,67.8 ; 25.71,67.8 25.71,67 v1(24.91,67) ; U1#2.K13 25.71,69 ; 24.91,64.6 25.71,64.6 ; 24.91,64.6 U1#2.T13 ; U1#2.N10 22.91,66.2 ; 22.91,66.2 21.71,66.2 21.71,66.6 ; 24.91,67.8 v1(24.91,67) ; 24.91,67.8 24.91,68.6 ; v1(21.71,67) 21.71,67.8 ; v1(21.71,67) 20.91,67 20.91,67.8 ; v1(21.71,67) 21.71,66.6 ; 21.71,67.8 21.71,68.6 ; 21.71,67.8 20.91,67.8 ; v1(20.91,68.6) 20.91,68.2 ; v1(20.91,68.6) 21.71,68.6 ; 20.91,68.2 20.91,67.8 ; 20.91,68.2 U1#2.L8 ; 20.11,64.6 20.11,63.8 U1#2.U6 ; 20.11,64.6 U1#2.T6 ; 22.91,70.2 U1#2.H10 ; U1#2.T12 24.11,64.6 ; 25.71,64.6 U1#2.T14 ; U1#2.N11 23.71,66.2 ; 21.71,69.8 21.71,68.6 ; 21.71,69.8 U1#2.J8 ; 21.71,69.8 v1(21.71,70.2) ; U1#2.N9 21.71,66.6 ; 21.71,66.6 U1#2.N8 ; 21.31,70.2 U1#2.H8 ; 21.31,70.2 v1(21.71,70.2) ; U1#2.J13 24.91,69.8 ; 24.91,69.8 24.91,68.6
  Top w0.3: 7.59,85.27 8.1,84.76 8.88,84.76 8.96,84.84 v1(8.96,85.13) ; U1#2.M13 v1(24.91,67) ; U1#2.M8 v1(21.71,67)
  In2signal.Cu w0.3: v1(19.67,59.08) 19.34,58.74 11.78,58.74 v1(9.61,60.92)
  POWER.Cu w0.3: v1(21.71,67) 23,65.71 23,62.73 22.74,62.48 22.7,62.48 21.47,61.25 21.47,60.88 v1(19.67,59.08) 20.41,58.34 27.82,58.34 28.73,59.25 ; 24.92,66.99 24.9,66.99 ; v1(9.61,60.92) 10.13,61.44 10.13,68.74 10.67,69.28 10.67,71.88 11.14,72.35 11.14,74.9 10.75,75.29 9.53,75.29 9.3,75.52 9.3,76.25 10.15,77.1 10.15,77.57 9.69,78.03 9.69,80.92 9.38,81.23 9.38,84.72 v1(8.96,85.13)
  POWER.Cu w0.5: v2(41.81,58.65) 41.5,58.34 29.64,58.34 28.73,59.25
  Bottom w0.127: 21.71,65.98 21.73,65.96 ; 24.91,65.98 24.93,65.96 ; 23.31,65.73 23.33,65.71
  Bottom w0.3: 24.93,65.93 23.43,65.93 23.33,66.03 23.23,65.93 21.73,65.93 ; v1(24.91,67) 24.91,65.98 ; v1(21.71,67) 21.71,65.98
  Bottom w0.5: v2(41.81,58.65) 41.18,59.27 RP1#3.2
Board_0-+1V35: length 31.8
  Top w0.127: TP_1V35#4.1 47.23,65.93 v1(49.08,65.93)
  POWER.Cu w0.3: v1(49.08,65.93) 46.86,68.15 46.86,69.21 46.23,69.84 47.85,69.84 47.95,69.74 48.38,70.16 48.38,71.08 47.88,71.58 v3(48.27,71.96) 48.67,72.37 48.67,75.46 48.73,75.39 49.35,75.39 49.35,74 v1(49.47,73.88)
  Bottom w0.3: 49.49,73.7 49.1,74.09 ; 51.13,73.62 50.65,74.09 49.68,74.09 v1(49.47,73.88) 49.19,73.88 RP4#3.2 ; C95#4.1 44.75,72.08 44.54,71.87 44.09,71.87 44.08,71.86 C77#3.1 ; C97.1 49.31,69.95
  Bottom w0.5: C95#4.1 45.62,71.88 46.84,71.88 C96#3.1 47.12,72.03 RP4#3.1
  Bottom w1: RP4#3.1 49.1,70.61 L4.2
Board_0-+2V5: length 118.6
  Top w0.127: U1#2.V17 28.91,62.19 v1(28.91,62.17) 28.91,62.2 U1#2.V18 ; v1(22.51,62.97) 22.54,63 23.31,63 ; v1(27.31,71.79) 27.31,71.8 U1#2.F15 ; 23.31,63 U1#2.V11 ; 23.31,63 U1#2.V10 ; U1#2.F6 20.1,72.59 v1(20.11,72.59) ; v1(18.51,66.24) 18.54,66.21 19.3,66.21 U1#2.P6
  Top w0.3: RV2#2.1 6.95,87.25 v1(7.33,87.25) ; v1(26.28,65.25) 26.36,65.25 U1#2.P15
  POWER.Cu w0.127: v1(27.31,71.79) 26.91,71.4 26.09,71.4 26.09,71.39 ; 26.08,72.21 26.08,71.41 26.09,71.39 ; 26.09,71.39 26.08,71.39 ; 29.33,64.19 29.33,63.32 29.24,63.23 29.24,62.66 U1#2.V18
  POWER.Cu w0.2: 15.9,68.89 16.05,69.05 18.75,69.05 18.81,68.99 20.33,68.99 20.42,68.89 ; U1#2.V18 29.31,62.56 v1(28.91,62.17) ; v1(26.28,65.25) 26.58,65.25 27.65,64.17 28.37,64.17 28.4,64.21 29.31,64.21
  POWER.Cu w0.3: v1(7.33,87.25) 7.77,87.25 9.95,85.07 ; 10.92,76.27 11.34,76.27 15.06,72.55 15.06,69.73 15.9,68.89 ; 23.33,73.58 23.33,74.93 v3(23.31,74.95) ; 11.7,77.93 10.63,77.93 v2(10.26,78.3) ; 26.09,71.39 26.09,71.35 25.86,71.12 25.86,69.15 25.23,69.15 25.08,69 25.08,68.39 25.58,67.89 25.58,67.45 25.99,67.04 25.99,65.54 v1(26.28,65.25) ; 20.42,68.89 21.02,69.49 21.02,71.14 22.76,71.14 23.3,71.68 23.3,72.6 ; v1(22.51,62.97) 22,62.46 20.61,62.46 20.07,63 19.31,63 19.31,65.44 v1(18.51,66.24) ; 9.98,85.1 10.66,85.1
  POWER.Cu w0.4: 19.31,63 17.29,60.97 16.23,60.97 15.94,60.68 15.94,60.49 15.14,59.7 14.84,59.7 ; v1(20.11,72.59) 20.12,72.6 24.85,72.6 25.32,72.13 26,72.13
  POWER.Cu w0.5: 11.21,80.42 9.95,81.68 9.95,85.07 ; 9.95,85.07 9.98,85.1 ; 9.95,85.07 10.63,85.07 10.66,85.1 ; 23.33,73.58 23.33,72.65
  POWER.Cu w0.8: 12.83,65.19 12.93,65.09 13.58,65.09
  POWER.Cu w1: 11.82,77.81 12,77.63 12,71.1 11.72,70.82 11.72,68.9 11.07,68.25 11.52,67.8 11.52,65.66 11.99,65.19 12.83,65.19 ; 13.58,65.09 13.85,64.81 13.85,62 14.06,61.8 14.06,60.62 14.91,59.77 ; 10.92,78.4 10.92,76.27
  POWER.Cu w1.5: 11.21,80.42 11.7,79.93 11.7,77.93 11.82,77.81
  Bottom w0.3: v1(26.28,65.25) 26.79,65.76 C29#3.1 ; C19#2.1 23.33,74.93 v3(23.31,74.95) ; RP2#4.2 10.26,78.09 v2(10.26,78.3) ; C39.1 19.35,66.24 v1(18.51,66.24) ; L2#2.2 6.91,76.98
  Bottom w0.5: 8.97,78.84 9.87,78.84 10.26,78.45 10.26,78.45 ; 8.97,78.84 8.97,79.57 C12#4.1 8.94,79.6 C11.1 8.94,81.85 8.73,82.06 8.73,83.59 C10#4.1 ; 8.97,78.84 8.97,77.61 7.71,77.61 7.02,76.92 L2#2.2 6.85,74.52 C23#3.1
